# Altium PCB BTF16_2.PcbDoc
Units mm, origin at the board's own origin, x right, y up, seen from the top; angles counter-clockwise.
Board outline 52.07 x 57.15 mm, 2 copper layers (Top Layer, Bottom Layer); 31 components, 143 nets, 1127 pads, 0 vias.
Unrouted connection lines stored in the file: 977.
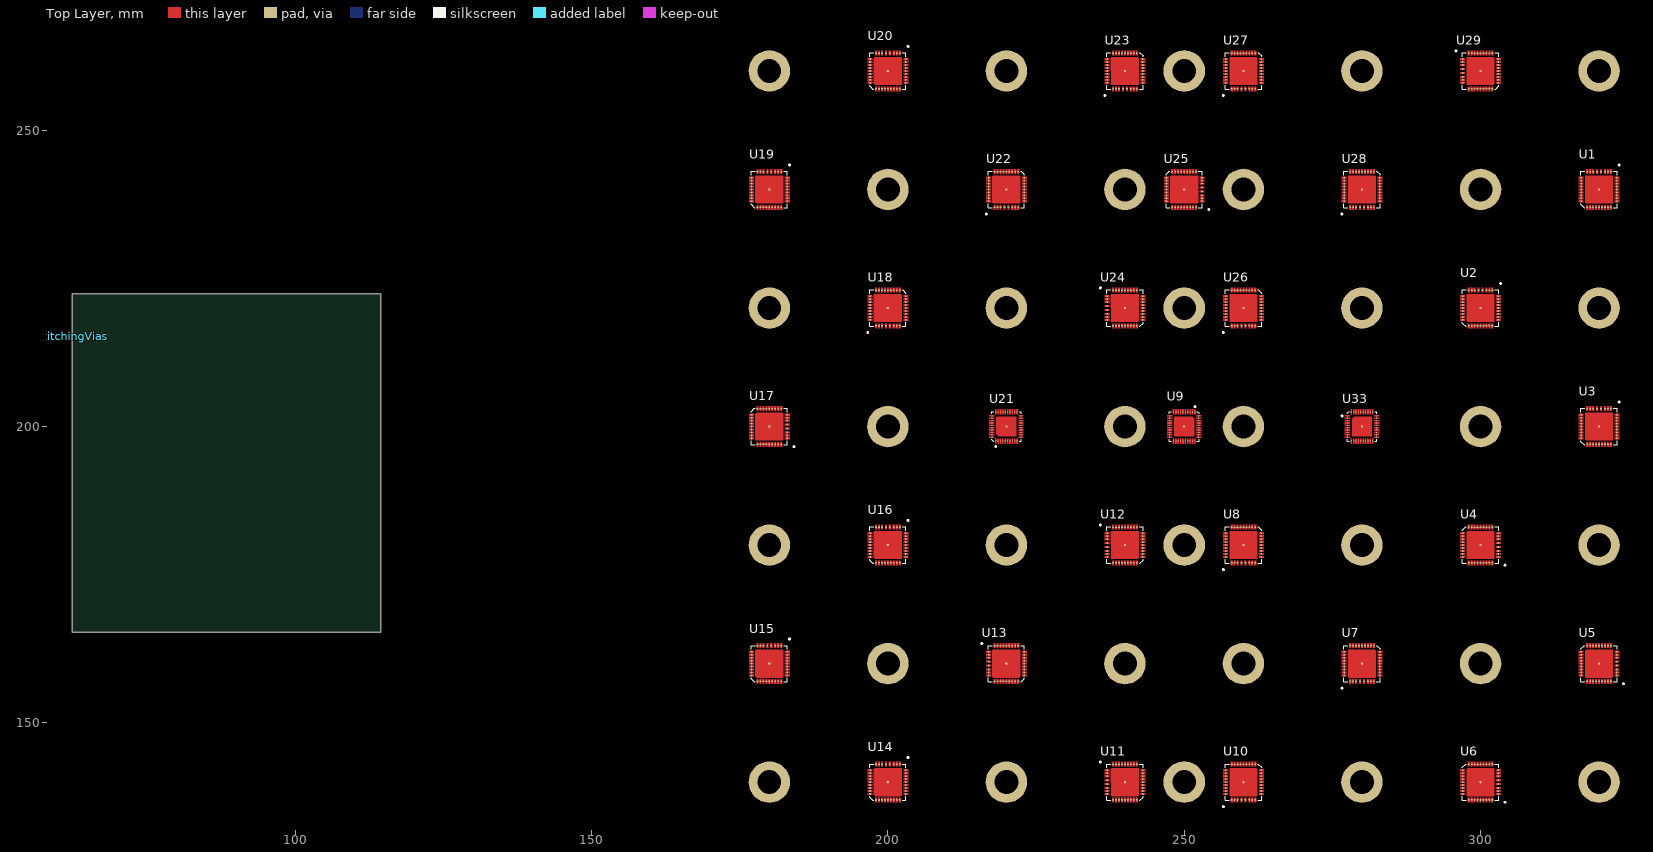
[diagram p0: Top Layer view]
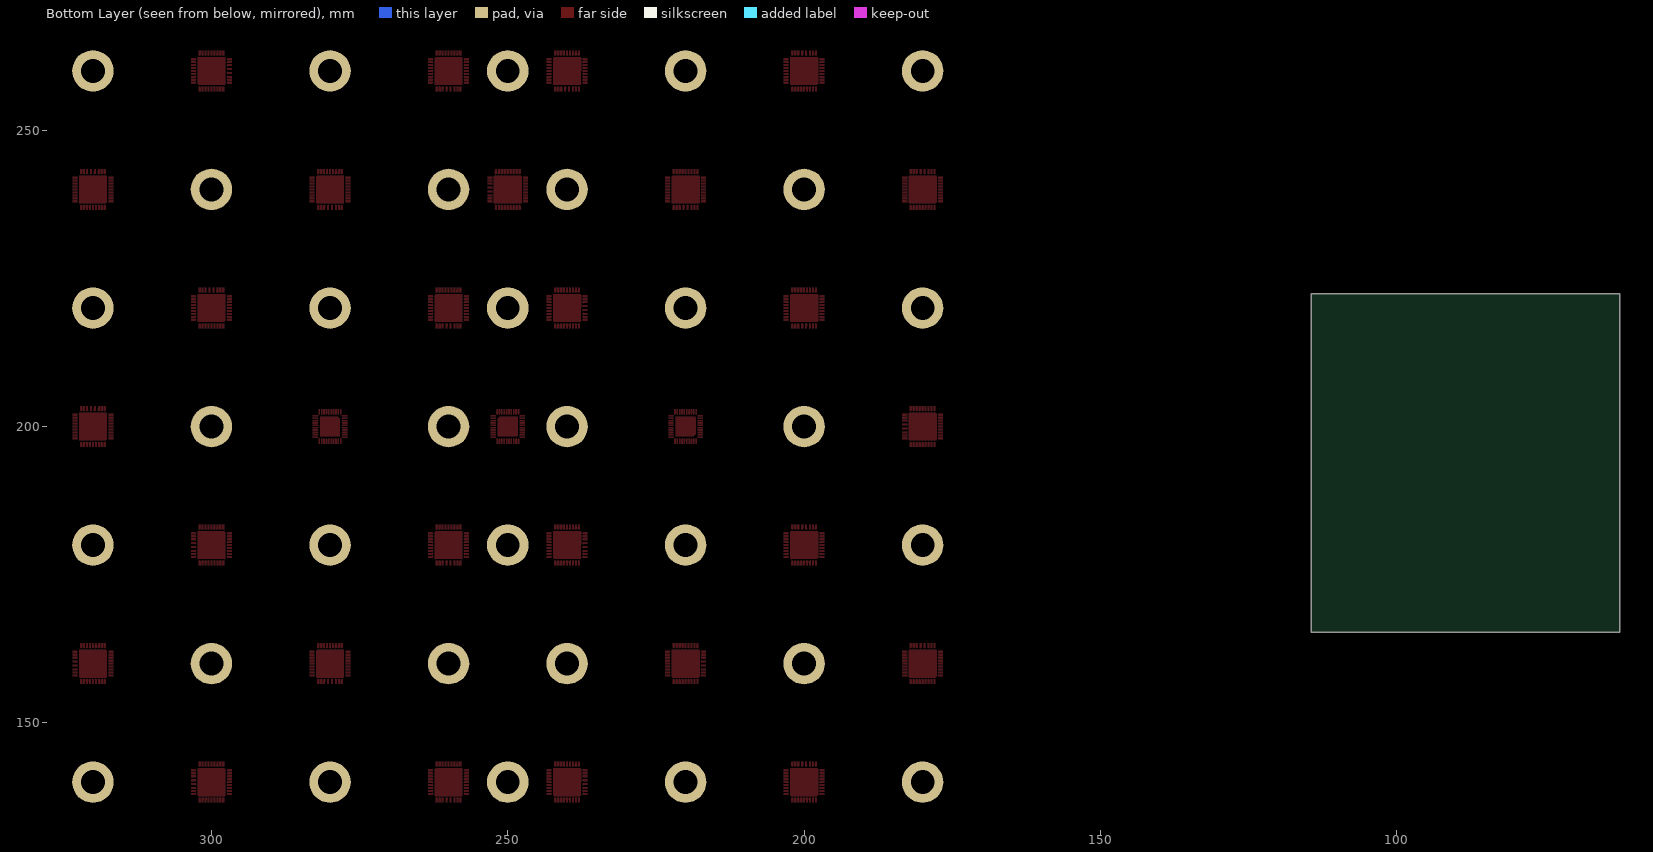
[diagram p1: Bottom Layer view, seen from below]

## Layer stack, top to bottom
Top Solder: solder mask 0.0102, Solder Resist, Dk 3.5
Top Layer: signal copper 0.0356
Dielectric1: core 0.32, FR-4, Dk 4.8
Bottom Layer: signal copper 0.0356
Bottom Solder: solder mask 0.0102, Solder Resist, Dk 3.5

## Board outline
62.359,165.269 62.359,222.419 114.429,222.419 114.429,165.269

## Design rules (kind name [scope] priority, off if disabled: settings)
Clearance [All] p1: gap=0.2
ComponentClearance [All] p1: gap=0.5 collisioncheckmode=3 verticalgap=1 showdistances=FALSE
HoleSize [All] p1: absolutevalues=TRUE maxlimit=5 minlimit=0.1 maxpercent=80.000 minpercent=20.000
HoleToHoleClearance [All] p1: gap=0.4 allowstackedmicrovias=TRUE
MinimumAnnularRing [All] p1: minimumring=0.2
MinimumSolderMaskSliver [All] p1: minsoldermaskwidth=0.1
PlaneClearance [All] p1: clearance=0.5
PlaneConnect [All] p1: planeconnectstyle=Relief reliefexpansion=0.5 reliefentries=4 reliefconductorwidth=0.25 reliefairgap=0.25
PolygonConnect "Via Connect Style" [IsVia] p1: connectstyle=Direct reliefconductorwidth=0.254 reliefentries=4 polygonreliefangle="90 Angle" airgapwidth=0.254
PolygonConnect "Flooded Pads Top" [(InPadClass('Flooded Top')) vs OnLayer('L1')] p2: connectstyle=Direct reliefconductorwidth=0.254 reliefentries=4 polygonreliefangle="90 Angle" airgapwidth=0.254
PolygonConnect "Flooded Pads Bott" [(InPadClass('Flooded Bott')) vs OnLayer('L2')] p3: connectstyle=Direct reliefconductorwidth=0.254 reliefentries=4 polygonreliefangle="90 Angle" airgapwidth=0.254
PolygonConnect PolygonConnect_0.3 [All] p4: connectstyle=Relief reliefconductorwidth=0.3 reliefentries=4 polygonreliefangle="90 Angle" airgapwidth=0.3
RoutingCorners [All] p1: cornerstyle=45-Degree minsetback=1 maxsetback=2
RoutingVias [InNetClass('All Nets')] p1: holewidth=0.3 width=0.65 viastyle="Through Hole" minholewidth=0.25 minwidth=0.6 maxholewidth=0.5 maxwidth=0.95
SilkToSilkClearance [All] p1: silktosilkclearance=0
SilkToSolderMaskClearance SilkscreenOverComponentPads [IsPad] p1: minsilkscreentomaskgap=0.2 clearancetoexposedcopper=TRUE
SolderMaskExpansion [All] p1: expansion=0.1
UnpouredPolygon [All] p1: allowunpoured=FALSE
Width "Power Nets" [InNetClass('Power')] p1: maxlimit=10 minlimit=0.5 preferedwidth=0.6
Width [InNetClass('All Nets')] p2: maxlimit=0.5 minlimit=0.2 preferedwidth=0.4
20 further rules are at their usual default settings.

## Classes and differential pairs
component class U_POWER: L1 L2
component class U_ASIC_3: U1 U2 U3 U4 U5 U6 U7 U8 U9 U10 U11 U12
component class U_ASIC_2: U25 U26 U27 U28 U29 U33
component class U_ASIC_1: U13 U14 U15 U16 U17 U18 U19 U20 U21 U22 U23 U24

## Components (designator, comment, footprint, x,y, rotation, side; value= is the part's Value field where it differs from the comment)
StitchingVias "Component That Holds Stitching Vias" ? 62.359,215.269 r0 top locked
U1 "IC_BITFURY16" SMD_QFN50P600X600X175-36AN 320,240 r90 top
U2 "IC_BITFURY16" SMD_QFN50P600X600X175-36AN 300,220 r90 top
U3 "IC_BITFURY16" SMD_QFN50P600X600X175-36AN 320,200 r90 top
U4 "IC_BITFURY16" SMD_QFN50P600X600X175-36AN 300,180 r0 top
U5 "IC_BITFURY16" SMD_QFN50P600X600X175-36AN 320,160 r0 top
U6 "IC_BITFURY16" SMD_QFN50P600X600X175-36AN 300,140 r0 top
U7 "IC_BITFURY16" SMD_QFN50P600X600X175-36AN 280,160 r270 top
U8 "IC_BITFURY16" SMD_QFN50P600X600X175-36AN 260,180 r270 top
U9 "IC_BTC250" SMD_QFN40P500X500X80-41N 250,200 r270 top
U10 "IC_BITFURY16" SMD_QFN50P600X600X175-36AN 260,140 r270 top
U11 "IC_BITFURY16" SMD_QFN50P600X600X175-36AN 240,140 r180 top
U12 "IC_BITFURY16" SMD_QFN50P600X600X175-36AN 240,180 r180 top
U13 "IC_BITFURY16" SMD_QFN50P600X600X175-36AN 220,160 r180 top
U14 "IC_BITFURY16" SMD_QFN50P600X600X175-36AN 200,140 r90 top
U15 "IC_BITFURY16" SMD_QFN50P600X600X175-36AN 180,160 r90 top
U16 "IC_BITFURY16" SMD_QFN50P600X600X175-36AN 200,180 r90 top
U17 "IC_BITFURY16" SMD_QFN50P600X600X175-36AN 180,200 r0 top
U18 "IC_BITFURY16" SMD_QFN50P600X600X175-36AN 200,220 r270 top
U19 "IC_BITFURY16" SMD_QFN50P600X600X175-36AN 180,240 r90 top
U20 "IC_BITFURY16" SMD_QFN50P600X600X175-36AN 200,260 r90 top
U21 "IC_BTC250" SMD_QFN40P500X500X80-41N 220,200 r90 top
U22 "IC_BITFURY16" SMD_QFN50P600X600X175-36AN 220,240 r270 top
U23 "IC_BITFURY16" SMD_QFN50P600X600X175-36AN 240,260 r270 top
U24 "IC_BITFURY16" SMD_QFN50P600X600X175-36AN 240,220 r180 top
U25 "IC_BITFURY16" SMD_QFN50P600X600X175-36AN 250,240 r0 top
U26 "IC_BITFURY16" SMD_QFN50P600X600X175-36AN 260,220 r270 top
U27 "IC_BITFURY16" SMD_QFN50P600X600X175-36AN 260,260 r270 top
U28 "IC_BITFURY16" SMD_QFN50P600X600X175-36AN 280,240 r270 top
U29 "IC_BITFURY16" SMD_QFN50P600X600X175-36AN 300,260 r180 top
U33 "IC_BTC250" SMD_QFN40P500X500X80-41N 280,200 r0 top

## Footprints (in the part's own frame and the unit in brackets; to place one, negate y for a bottom-side part, rotate by r counter-clockwise, add the part's x,y. Pads: shape width x height; smd on the part's side, far side on the other; paste and mask are expansions set on the pad)
SMD_QFN40P500X500X80-41N [mm]
  round 0.2 smd: 1(-2.45,1.8) 2(-2.45,1.4) 3(-2.45,1) 4(-2.45,0.6) 5(-2.45,0.2) 6(-2.45,-0.2) 7(-2.45,-0.6) 8(-2.45,-1) 9(-2.45,-1.4) 10(-2.45,-1.8) 11(-1.8,-2.45) 12(-1.4,-2.45) 13(-1,-2.45) 14(-0.6,-2.45) 15(-0.2,-2.45) 16(0.2,-2.45) 17(0.6,-2.45) 18(1,-2.45) 19(1.4,-2.45) 20(1.8,-2.45) 21(2.45,-1.8) 22(2.45,-1.4) 23(2.45,-1) 24(2.45,-0.6) 25(2.45,-0.2) 26(2.45,0.2) 27(2.45,0.6) 28(2.45,1) 29(2.45,1.4) 30(2.45,1.8) 31(1.8,2.45) 32(1.4,2.45) 33(1,2.45) 34(0.6,2.45) 35(0.2,2.45) 36(-0.2,2.45) 37(-0.6,2.45) 38(-1,2.45) 39(-1.4,2.45) 40(-1.8,2.45)
  rect 0.35x0.35 smd: 41(0,0)
  Top Layer region: -2.875,1.9 -2.125,1.908 -2.048,1.877 -2.017,1.8 -2.048,1.723 -2.125,1.692 -2.125,1.7 -2.875,1.7
  Top Layer region: -2.875,1.5 -2.125,1.508 -2.048,1.477 -2.017,1.4 -2.048,1.323 -2.125,1.292 -2.125,1.3 -2.875,1.3
  Top Layer region: -2.875,1.1 -2.125,1.108 -2.048,1.077 -2.017,1 -2.048,0.923 -2.125,0.892 -2.125,0.9 -2.875,0.9
  Top Layer region: -2.875,0.7 -2.125,0.708 -2.048,0.677 -2.017,0.6 -2.048,0.523 -2.125,0.492 -2.125,0.5 -2.875,0.5
  Top Layer region: -2.875,0.3 -2.125,0.308 -2.048,0.277 -2.017,0.2 -2.048,0.123 -2.125,0.092 -2.125,0.1 -2.875,0.1
  Top Layer region: -2.875,-0.1 -2.125,-0.092 -2.048,-0.123 -2.017,-0.2 -2.048,-0.277 -2.125,-0.308 -2.125,-0.3 -2.875,-0.3
  Top Layer region: -2.875,-0.5 -2.125,-0.492 -2.048,-0.523 -2.017,-0.6 -2.048,-0.677 -2.125,-0.708 -2.125,-0.7 -2.875,-0.7
  Top Layer region: -2.875,-0.9 -2.125,-0.892 -2.048,-0.923 -2.017,-1 -2.048,-1.077 -2.125,-1.108 -2.125,-1.1 -2.875,-1.1
  Top Layer region: -2.875,-1.3 -2.125,-1.292 -2.048,-1.323 -2.017,-1.4 -2.048,-1.477 -2.125,-1.508 -2.125,-1.5 -2.875,-1.5
  Top Layer region: -2.875,-1.7 -2.125,-1.692 -2.048,-1.723 -2.017,-1.8 -2.048,-1.877 -2.125,-1.908 -2.125,-1.9 -2.875,-1.9
  Top Layer region: -1.9,-2.875 -1.908,-2.125 -1.877,-2.048 -1.8,-2.017 -1.723,-2.048 -1.692,-2.125 -1.7,-2.125 -1.7,-2.875
  Top Layer region: -1.5,-2.875 -1.508,-2.125 -1.477,-2.048 -1.4,-2.017 -1.323,-2.048 -1.292,-2.125 -1.3,-2.125 -1.3,-2.875
  Top Layer region: -1.1,-2.875 -1.108,-2.125 -1.077,-2.048 -1,-2.017 -0.923,-2.048 -0.892,-2.125 -0.9,-2.125 -0.9,-2.875
  Top Layer region: -0.7,-2.875 -0.708,-2.125 -0.677,-2.048 -0.6,-2.017 -0.523,-2.048 -0.492,-2.125 -0.5,-2.125 -0.5,-2.875
  Top Layer region: -0.3,-2.875 -0.308,-2.125 -0.277,-2.048 -0.2,-2.017 -0.123,-2.048 -0.092,-2.125 -0.1,-2.125 -0.1,-2.875
  Top Layer region: 0.1,-2.875 0.092,-2.125 0.123,-2.048 0.2,-2.017 0.277,-2.048 0.308,-2.125 0.3,-2.125 0.3,-2.875
  Top Layer region: 0.5,-2.875 0.492,-2.125 0.523,-2.048 0.6,-2.017 0.677,-2.048 0.708,-2.125 0.7,-2.125 0.7,-2.875
  Top Layer region: 0.9,-2.875 0.892,-2.125 0.923,-2.048 1,-2.017 1.077,-2.048 1.108,-2.125 1.1,-2.125 1.1,-2.875
  Top Layer region: 1.3,-2.875 1.292,-2.125 1.323,-2.048 1.4,-2.017 1.477,-2.048 1.508,-2.125 1.5,-2.125 1.5,-2.875
  Top Layer region: 1.7,-2.875 1.692,-2.125 1.723,-2.048 1.8,-2.017 1.877,-2.048 1.908,-2.125 1.9,-2.125 1.9,-2.875
  Top Layer region: 2.875,-1.9 2.125,-1.908 2.048,-1.877 2.017,-1.8 2.048,-1.723 2.125,-1.692 2.125,-1.7 2.875,-1.7
  Top Layer region: 2.875,-1.5 2.125,-1.508 2.048,-1.477 2.017,-1.4 2.048,-1.323 2.125,-1.292 2.125,-1.3 2.875,-1.3
  Top Layer region: 2.875,-1.1 2.125,-1.108 2.048,-1.077 2.017,-1 2.048,-0.923 2.125,-0.892 2.125,-0.9 2.875,-0.9
  Top Layer region: 2.875,-0.7 2.125,-0.708 2.048,-0.677 2.017,-0.6 2.048,-0.523 2.125,-0.492 2.125,-0.5 2.875,-0.5
  Top Layer region: 2.875,-0.3 2.125,-0.308 2.048,-0.277 2.017,-0.2 2.048,-0.123 2.125,-0.092 2.125,-0.1 2.875,-0.1
  Top Layer region: 2.875,0.1 2.125,0.092 2.048,0.123 2.017,0.2 2.048,0.277 2.125,0.308 2.125,0.3 2.875,0.3
  Top Layer region: 2.875,0.5 2.125,0.492 2.048,0.523 2.017,0.6 2.048,0.677 2.125,0.708 2.125,0.7 2.875,0.7
  Top Layer region: 2.875,0.9 2.125,0.892 2.048,0.923 2.017,1 2.048,1.077 2.125,1.108 2.125,1.1 2.875,1.1
  Top Layer region: 2.875,1.3 2.125,1.292 2.048,1.323 2.017,1.4 2.048,1.477 2.125,1.508 2.125,1.5 2.875,1.5
  Top Layer region: 2.875,1.7 2.125,1.692 2.048,1.723 2.017,1.8 2.048,1.877 2.125,1.908 2.125,1.9 2.875,1.9
  Top Layer region: 1.9,2.875 1.908,2.125 1.877,2.048 1.8,2.017 1.723,2.048 1.692,2.125 1.7,2.125 1.7,2.875
  Top Layer region: 1.5,2.875 1.508,2.125 1.477,2.048 1.4,2.017 1.323,2.048 1.292,2.125 1.3,2.125 1.3,2.875
  Top Layer region: 1.1,2.875 1.108,2.125 1.077,2.048 1,2.017 0.923,2.048 0.892,2.125 0.9,2.125 0.9,2.875
  Top Layer region: 0.7,2.875 0.708,2.125 0.677,2.048 0.6,2.017 0.523,2.048 0.492,2.125 0.5,2.125 0.5,2.875
  Top Layer region: 0.3,2.875 0.308,2.125 0.277,2.048 0.2,2.017 0.123,2.048 0.092,2.125 0.1,2.125 0.1,2.875
  Top Layer region: -0.1,2.875 -0.092,2.125 -0.123,2.048 -0.2,2.017 -0.277,2.048 -0.308,2.125 -0.3,2.125 -0.3,2.875
  Top Layer region: -0.5,2.875 -0.492,2.125 -0.523,2.048 -0.6,2.017 -0.677,2.048 -0.708,2.125 -0.7,2.125 -0.7,2.875
  Top Layer region: -0.9,2.875 -0.892,2.125 -0.923,2.048 -1,2.017 -1.077,2.048 -1.108,2.125 -1.1,2.125 -1.1,2.875
  Top Layer region: -1.3,2.875 -1.292,2.125 -1.323,2.048 -1.4,2.017 -1.477,2.048 -1.508,2.125 -1.5,2.125 -1.5,2.875
  Top Layer region: -1.7,2.875 -1.692,2.125 -1.723,2.048 -1.8,2.017 -1.877,2.048 -1.908,2.125 -1.9,2.125 -1.9,2.875
  Top Layer region: -1.675,1.325 -1.325,1.675 1.475,1.679 1.553,1.663 1.619,1.619 1.663,1.553 1.679,1.475 1.675,1.475 1.679,-1.475 1.663,-1.553 1.619,-1.619 1.553,-1.663 1.475,-1.679 1.475,-1.675 -1.475,-1.679 -1.553,-1.663 -1.619,-1.619 -1.663,-1.553 -1.679,-1.475 -1.675,-1.475
  silkscreen extent -3.47,-2.5 2.5,2.5
SMD_QFN50P600X600X175-36AN [mm]
  round 0.3 smd mask-0.15: 1(-3,2) 2(-3,1.5) 3(-3,1) 4(-3,0.5) 5(-3,0) 6(-3,-0.5) 7(-3,-1) 8(-3,-1.5) 9(-3,-2) 10(-2,-3) 11(-1.5,-3) 12(-1,-3) 13(-0.5,-3) 14(0,-3) 15(0.5,-3) 16(1,-3) 17(1.5,-3) 18(2,-3) 19(3,-2) 20(3,-1.5) 21(3,-1) 22(3,-0.333) 23(3,0.334) 24(3,1) 25(3,1.5) 26(3,2) 27(2,3) 28(1.5,3) 29(1,3) 30(0.5,3) 31(0,3) 32(-0.5,3) 33(-1,3) 34(-1.5,3) 35(-2,3)
  round 0.4 smd: 36(0,0)
  Top Layer region: -3.4,2.15 -2.75,2.162 -2.635,2.115 -2.588,2 -2.635,1.885 -2.75,1.838 -2.75,1.85 -3.4,1.85
  Top Layer region: -3.4,1.65 -2.75,1.662 -2.635,1.615 -2.588,1.5 -2.635,1.385 -2.75,1.338 -2.75,1.35 -3.4,1.35
  Top Layer region: -3.4,1.15 -2.75,1.162 -2.635,1.115 -2.588,1 -2.635,0.885 -2.75,0.838 -2.75,0.85 -3.4,0.85
  Top Layer region: -3.4,0.65 -2.75,0.662 -2.635,0.615 -2.588,0.5 -2.635,0.385 -2.75,0.338 -2.75,0.35 -3.4,0.35
  Top Layer region: -3.4,0.15 -2.75,0.162 -2.635,0.115 -2.588,0 -2.635,-0.115 -2.75,-0.162 -2.75,-0.15 -3.4,-0.15
  Top Layer region: -3.4,-0.35 -2.75,-0.338 -2.635,-0.385 -2.588,-0.5 -2.635,-0.615 -2.75,-0.662 -2.75,-0.65 -3.4,-0.65
  Top Layer region: -3.4,-0.85 -2.75,-0.838 -2.635,-0.885 -2.588,-1 -2.635,-1.115 -2.75,-1.162 -2.75,-1.15 -3.4,-1.15
  Top Layer region: -3.4,-1.35 -2.75,-1.338 -2.635,-1.385 -2.588,-1.5 -2.635,-1.615 -2.75,-1.662 -2.75,-1.65 -3.4,-1.65
  Top Layer region: -3.4,-1.85 -2.75,-1.838 -2.635,-1.885 -2.588,-2 -2.635,-2.115 -2.75,-2.162 -2.75,-2.15 -3.4,-2.15
  Top Layer region: -2.15,-3.4 -2.162,-2.75 -2.115,-2.635 -2,-2.588 -1.885,-2.635 -1.838,-2.75 -1.85,-2.75 -1.85,-3.4
  Top Layer region: -1.65,-3.4 -1.662,-2.75 -1.615,-2.635 -1.5,-2.588 -1.385,-2.635 -1.338,-2.75 -1.35,-2.75 -1.35,-3.4
  Top Layer region: -1.15,-3.4 -1.162,-2.75 -1.115,-2.635 -1,-2.588 -0.885,-2.635 -0.838,-2.75 -0.85,-2.75 -0.85,-3.4
  Top Layer region: -0.65,-3.4 -0.662,-2.75 -0.615,-2.635 -0.5,-2.588 -0.385,-2.635 -0.338,-2.75 -0.35,-2.75 -0.35,-3.4
  Top Layer region: -0.15,-3.4 -0.162,-2.75 -0.115,-2.635 0,-2.588 0.115,-2.635 0.162,-2.75 0.15,-2.75 0.15,-3.4
  Top Layer region: 0.35,-3.4 0.338,-2.75 0.385,-2.635 0.5,-2.588 0.615,-2.635 0.662,-2.75 0.65,-2.75 0.65,-3.4
  Top Layer region: 0.85,-3.4 0.838,-2.75 0.885,-2.635 1,-2.588 1.115,-2.635 1.162,-2.75 1.15,-2.75 1.15,-3.4
  Top Layer region: 1.35,-3.4 1.338,-2.75 1.385,-2.635 1.5,-2.588 1.615,-2.635 1.662,-2.75 1.65,-2.75 1.65,-3.4
  Top Layer region: 1.85,-3.4 1.838,-2.75 1.885,-2.635 2,-2.588 2.115,-2.635 2.162,-2.75 2.15,-2.75 2.15,-3.4
  Top Layer region: 3.4,-2.15 2.75,-2.162 2.635,-2.115 2.588,-2 2.635,-1.885 2.75,-1.838 2.75,-1.85 3.4,-1.85
  Top Layer region: 3.4,-1.65 2.75,-1.662 2.635,-1.615 2.588,-1.5 2.635,-1.385 2.75,-1.338 2.75,-1.35 3.4,-1.35
  Top Layer region: 3.4,-1.15 2.75,-1.162 2.635,-1.115 2.588,-1 2.635,-0.885 2.75,-0.838 2.75,-0.85 3.4,-0.85
  Top Layer region: 3.4,-0.483 2.75,-0.495 2.635,-0.448 2.588,-0.333 2.635,-0.218 2.75,-0.171 2.75,-0.183 3.4,-0.183
  Top Layer region: 3.4,0.184 2.75,0.172 2.635,0.219 2.588,0.334 2.635,0.449 2.75,0.496 2.75,0.484 3.4,0.484
  Top Layer region: 3.4,0.85 2.75,0.838 2.635,0.885 2.588,1 2.635,1.115 2.75,1.162 2.75,1.15 3.4,1.15
  Top Layer region: 3.4,1.35 2.75,1.338 2.635,1.385 2.588,1.5 2.635,1.615 2.75,1.662 2.75,1.65 3.4,1.65
  Top Layer region: 3.4,1.85 2.75,1.838 2.635,1.885 2.588,2 2.635,2.115 2.75,2.162 2.75,2.15 3.4,2.15
  Top Layer region: 2.15,3.4 2.162,2.75 2.115,2.635 2,2.588 1.885,2.635 1.838,2.75 1.85,2.75 1.85,3.4
  Top Layer region: 1.65,3.4 1.662,2.75 1.615,2.635 1.5,2.588 1.385,2.635 1.338,2.75 1.35,2.75 1.35,3.4
  Top Layer region: 1.15,3.4 1.162,2.75 1.115,2.635 1,2.588 0.885,2.635 0.838,2.75 0.85,2.75 0.85,3.4
  Top Layer region: 0.65,3.4 0.662,2.75 0.615,2.635 0.5,2.588 0.385,2.635 0.338,2.75 0.35,2.75 0.35,3.4
  Top Layer region: 0.15,3.4 0.162,2.75 0.115,2.635 0,2.588 -0.115,2.635 -0.162,2.75 -0.15,2.75 -0.15,3.4
  Top Layer region: -0.35,3.4 -0.338,2.75 -0.385,2.635 -0.5,2.588 -0.615,2.635 -0.662,2.75 -0.65,2.75 -0.65,3.4
  Top Layer region: -0.85,3.4 -0.838,2.75 -0.885,2.635 -1,2.588 -1.115,2.635 -1.162,2.75 -1.15,2.75 -1.15,3.4
  Top Layer region: -1.35,3.4 -1.338,2.75 -1.385,2.635 -1.5,2.588 -1.615,2.635 -1.662,2.75 -1.65,2.75 -1.65,3.4
  Top Layer region: -1.85,3.4 -1.838,2.75 -1.885,2.635 -2,2.588 -2.115,2.635 -2.162,2.75 -2.15,2.75 -2.15,3.4
  Top Layer region: -2.35,2.15 -2.15,2.35 2.15,2.354 2.228,2.338 2.294,2.294 2.338,2.228 2.354,2.15 2.35,2.15 2.354,-2.15 2.338,-2.228 2.294,-2.294 2.228,-2.338 2.15,-2.354 2.15,-2.35 -2.15,-2.354 -2.228,-2.338 -2.294,-2.294 -2.338,-2.228 -2.354,-2.15 -2.35,-2.15
  silkscreen extent -3.05,-3.53 4.27,3.05
? [mm]

## Part data
U1 U2 U3 U4 U5 U6 U7 U8 U10 U11 U12 U13 U14 U15 U16 U17 U18 U19 U20 U22 U23 U24 U25 U26 U27 U28 U29: "BitFury 2016 16 nm"

## Free pads (board coordinates)
  round 7 hole 4: 0(180,140) 0(180,180) 0(180,220) 0(180,260) 0(200,160) 0(200,200) 0(200,240) 0(220,140) 0(220,180) 0(220,220) 0(220,260) 0(240,160) 0(240,200) 0(240,240) 0(250,140) 0(250,180) 0(250,220) 0(250,260) 0(260,160) 0(260,200) 0(260,240) 0(280,140) 0(280,180) 0(280,220) 0(280,260) 0(300,160) 0(300,200) 0(300,240) 0(320,140) 0(320,180) 0(320,220) 0(320,260)

## Nets (pads, with @x,y where several pads share a name; then routed paths per layer and width w, separated by ;. In a path a pad name is that pad's centre, name@x,y a point inside that pad or via, vN(x,y) a via of type N, cw(c..) or ccw(c..) an arc to the next point about the centre after c; other vN are vias at no path point)
5.0V: 
12V: 
BF_CLK0: U13.22 U21.10
BF_CLK1: U14.22 U21.7
BF_CLK2: U15.22 U21.4
BF_CLK3: U16.22 U21.1
BF_CLK4: U17.22 U21.38
BF_CLK5: U18.22 U21.35
BF_CLK6: U19.22 U21.32
BF_CLK7: U20.22 U21.29
BF_CLK8: U21.26 U22.22
BF_CLK9: U21.23 U23.22
BF_CLK10: U21.20 U24.22
BF_CLK11: U25.22 U33.10
BF_CLK12: U26.22 U33.7
BF_CLK13: U27.22 U33.4
BF_CLK14: U28.22 U33.1
BF_CLK15: U29.22 U33.38
BF_DAT0: U13.23 U21.9
BF_DAT1: U14.23 U21.6
BF_DAT2: U15.23 U21.3
BF_DAT3: U16.23 U21.40
BF_DAT4: U17.23 U21.37
BF_DAT5: U18.23 U21.34
BF_DAT6: U19.23 U21.31
BF_DAT7: U20.23 U21.28
BF_DAT8: U21.25 U22.23
BF_DAT9: U21.22 U23.23
BF_DAT10: U21.19 U24.23
BF_DAT11: U25.23 U33.9
BF_DAT12: U26.23 U33.6
BF_DAT13: U27.23 U33.3
BF_DAT14: U28.23 U33.40
BF_DAT15: U29.23 U33.37
C_0: U1.22 U9.10
C_1: U2.22 U9.7
C_2: U3.22 U9.4
C_3: U4.22 U9.1
C_4: U5.22 U9.38
C_5: U6.22 U9.35
C_6: U7.22 U9.32
C_7: U8.22 U9.29
C_8: U9.26 U10.22
C_9: U9.23 U11.22
C_10: U9.20 U12.22
CLK: 
CLK_PAR: U21.18
D+: 
D-: 
D_0: U1.23 U9.9
D_1: U2.23 U9.6
D_2: U3.23 U9.3
D_3: U4.23 U9.40
D_4: U5.23 U9.37
D_5: U6.23 U9.34
D_6: U7.23 U9.31
D_7: U8.23 U9.28
D_8: U9.25 U10.23
D_9: U9.22 U11.23
D_10: U9.19 U12.23
GND: 
MCLR: 
MISO_MCU: 
MISO_TX0: U21.11
MOSI_MCU: 
MOSI_RX0: U21.12
NetC210_1: 
NetC210_2: 
NetC220_1: 
NetC220_2: 
NetD1_2: 
NetD3_2: 
NetL1_2: 
NetL2_2: 
NetR13_2: 
NetR19_2: 
NetR20_2: 
NetR21_2: 
NetR22_2: 
NetTP5_1: 
PAR_2: U33.18
PAR_3: U9.18
POWER_ON_OFF: 
PWM1: 
PWM2: 
PWR: 
PWR1: U13.1 U13.2 U13.3 U13.4 U13.5 U13.6 U13.7 U13.8 U13.9 U13.10 U13.11 U13.12 U13.13 U13.14 U13.15 U13.16 U13.17 U13.18 U13.19 U13.20 U13.21 U13.24 U13.25 U13.26 U13.27 U13.28 U13.29 U13.30 U13.31 U13.32 U13.33 U13.34 U13.35 U14.36 U21.8
PWR2: U14.1 U14.2 U14.3 U14.4 U14.5 U14.6 U14.7 U14.8 U14.9 U14.10 U14.11 U14.12 U14.13 U14.14 U14.15 U14.16 U14.17 U14.18 U14.19 U14.20 U14.21 U14.24 U14.25 U14.26 U14.27 U14.28 U14.29 U14.30 U14.31 U14.32 U14.33 U14.34 U14.35 U15.36 U21.5
PWR3: U15.1 U15.2 U15.3 U15.4 U15.5 U15.6 U15.7 U15.8 U15.9 U15.10 U15.11 U15.12 U15.13 U15.14 U15.15 U15.16 U15.17 U15.18 U15.19 U15.20 U15.21 U15.24 U15.25 U15.26 U15.27 U15.28 U15.29 U15.30 U15.31 U15.32 U15.33 U15.34 U15.35 U16.36 U21.2
PWR4: U16.1 U16.2 U16.3 U16.4 U16.5 U16.6 U16.7 U16.8 U16.9 U16.10 U16.11 U16.12 U16.13 U16.14 U16.15 U16.16 U16.17 U16.18 U16.19 U16.20 U16.21 U16.24 U16.25 U16.26 U16.27 U16.28 U16.29 U16.30 U16.31 U16.32 U16.33 U16.34 U16.35 U17.36 U21.39
PWR5: U17.1 U17.2 U17.3 U17.4 U17.5 U17.6 U17.7 U17.8 U17.9 U17.10 U17.11 U17.12 U17.13 U17.14 U17.15 U17.16 U17.17 U17.18 U17.19 U17.20 U17.21 U17.24 U17.25 U17.26 U17.27 U17.28 U17.29 U17.30 U17.31 U17.32 U17.33 U17.34 U17.35 U18.36 U21.36
PWR6: U18.1 U18.2 U18.3 U18.4 U18.5 U18.6 U18.7 U18.8 U18.9 U18.10 U18.11 U18.12 U18.13 U18.14 U18.15 U18.16 U18.17 U18.18 U18.19 U18.20 U18.21 U18.24 U18.25 U18.26 U18.27 U18.28 U18.29 U18.30 U18.31 U18.32 U18.33 U18.34 U18.35 U19.36 U21.33
PWR7: U19.1 U19.2 U19.3 U19.4 U19.5 U19.6 U19.7 U19.8 U19.9 U19.10 U19.11 U19.12 U19.13 U19.14 U19.15 U19.16 U19.17 U19.18 U19.19 U19.20 U19.21 U19.24 U19.25 U19.26 U19.27 U19.28 U19.29 U19.30 U19.31 U19.32 U19.33 U19.34 U19.35 U20.36 U21.30
PWR8: U20.1 U20.2 U20.3 U20.4 U20.5 U20.6 U20.7 U20.8 U20.9 U20.10 U20.11 U20.12 U20.13 U20.14 U20.15 U20.16 U20.17 U20.18 U20.19 U20.20 U20.21 U20.24 U20.25 U20.26 U20.27 U20.28 U20.29 U20.30 U20.31 U20.32 U20.33 U20.34 U20.35 U21.27 U22.36
PWR9: U21.24 U22.1 U22.2 U22.3 U22.4 U22.5 U22.6 U22.7 U22.8 U22.9 U22.10 U22.11 U22.12 U22.13 U22.14 U22.15 U22.16 U22.17 U22.18 U22.19 U22.20 U22.21 U22.24 U22.25 U22.26 U22.27 U22.28 U22.29 U22.30 U22.31 U22.32 U22.33 U22.34 U22.35 U23.36
PWR10: U21.21 U23.1 U23.2 U23.3 U23.4 U23.5 U23.6 U23.7 U23.8 U23.9 U23.10 U23.11 U23.12 U23.13 U23.14 U23.15 U23.16 U23.17 U23.18 U23.19 U23.20 U23.21 U23.24 U23.25 U23.26 U23.27 U23.28 U23.29 U23.30 U23.31 U23.32 U23.33 U23.34 U23.35 U24.36
PWR11: U21.17 U24.1 U24.2 U24.3 U24.4 U24.5 U24.6 U24.7 U24.8 U24.9 U24.10 U24.11 U24.12 U24.13 U24.14 U24.15 U24.16 U24.17 U24.18 U24.19 U24.20 U24.21 U24.24 U24.25 U24.26 U24.27 U24.28 U24.29 U24.30 U24.31 U24.32 U24.33 U24.34 U24.35 U25.36 U33.41
PWR12: U25.1 U25.2 U25.3 U25.4 U25.5 U25.6 U25.7 U25.8 U25.9 U25.10 U25.11 U25.12 U25.13 U25.14 U25.15 U25.16 U25.17 U25.18 U25.19 U25.20 U25.21 U25.24 U25.25 U25.26 U25.27 U25.28 U25.29 U25.30 U25.31 U25.32 U25.33 U25.34 U25.35 U26.36 U33.8
PWR13: U26.1 U26.2 U26.3 U26.4 U26.5 U26.6 U26.7 U26.8 U26.9 U26.10 U26.11 U26.12 U26.13 U26.14 U26.15 U26.16 U26.17 U26.18 U26.19 U26.20 U26.21 U26.24 U26.25 U26.26 U26.27 U26.28 U26.29 U26.30 U26.31 U26.32 U26.33 U26.34 U26.35 U27.36 U33.5
PWR14: U27.1 U27.2 U27.3 U27.4 U27.5 U27.6 U27.7 U27.8 U27.9 U27.10 U27.11 U27.12 U27.13 U27.14 U27.15 U27.16 U27.17 U27.18 U27.19 U27.20 U27.21 U27.24 U27.25 U27.26 U27.27 U27.28 U27.29 U27.30 U27.31 U27.32 U27.33 U27.34 U27.35 U28.36 U33.2
PWR15: U28.1 U28.2 U28.3 U28.4 U28.5 U28.6 U28.7 U28.8 U28.9 U28.10 U28.11 U28.12 U28.13 U28.14 U28.15 U28.16 U28.17 U28.18 U28.19 U28.20 U28.21 U28.24 U28.25 U28.26 U28.27 U28.28 U28.29 U28.30 U28.31 U28.32 U28.33 U28.34 U28.35 U29.36 U33.39
PWR16: U1.36 U9.41 U29.1 U29.2 U29.3 U29.4 U29.5 U29.6 U29.7 U29.8 U29.9 U29.10 U29.11 U29.12 U29.13 U29.14 U29.15 U29.16 U29.17 U29.18 U29.19 U29.20 U29.21 U29.24 U29.25 U29.26 U29.27 U29.28 U29.29 U29.30 U29.31 U29.32 U29.33 U29.34 U29.35 U33.34 U33.36
PWR17: U9.8 U33.31 U33.33
PWR18: U9.5 U33.28 U33.30
PWR19: U9.2 U33.25 U33.27
PWR20: U9.39 U33.22 U33.24
PWR21: U9.36 U33.19 U33.21
PWR22: U9.33 U33.17
PWR23: U9.30
PWR24: U9.27
PWR25: U9.24
PWR26: U9.21
RA5: 
RC4: 
RX0_2: U33.12
RX0_3: U9.12
RX1_1: U21.14
RX1_2: U33.14
RX1_3: U9.14
RX2_1: U21.16
RX2_2: U33.16
RX2_3: U9.16
TX0_2: U33.11
TX0_3: U9.11
TX1_1: U21.13
TX1_2: U33.13
TX1_3: U9.13
TX2_1: U21.15
TX2_2: U33.15
TX2_3: U9.15
V_0: U1.1 U1.2 U1.3 U1.4 U1.5 U1.6 U1.7 U1.8 U1.9 U1.10 U1.11 U1.12 U1.13 U1.14 U1.15 U1.16 U1.17 U1.18 U1.19 U1.20 U1.21 U1.24 U1.25 U1.26 U1.27 U1.28 U1.29 U1.30 U1.31 U1.32 U1.33 U1.34 U1.35 U2.36
V_1: U2.1 U2.2 U2.3 U2.4 U2.5 U2.6 U2.7 U2.8 U2.9 U2.10 U2.11 U2.12 U2.13 U2.14 U2.15 U2.16 U2.17 U2.18 U2.19 U2.20 U2.21 U2.24 U2.25 U2.26 U2.27 U2.28 U2.29 U2.30 U2.31 U2.32 U2.33 U2.34 U2.35 U3.36
V_2: U3.1 U3.2 U3.3 U3.4 U3.5 U3.6 U3.7 U3.8 U3.9 U3.10 U3.11 U3.12 U3.13 U3.14 U3.15 U3.16 U3.17 U3.18 U3.19 U3.20 U3.21 U3.24 U3.25 U3.26 U3.27 U3.28 U3.29 U3.30 U3.31 U3.32 U3.33 U3.34 U3.35 U4.36
V_3: U4.1 U4.2 U4.3 U4.4 U4.5 U4.6 U4.7 U4.8 U4.9 U4.10 U4.11 U4.12 U4.13 U4.14 U4.15 U4.16 U4.17 U4.18 U4.19 U4.20 U4.21 U4.24 U4.25 U4.26 U4.27 U4.28 U4.29 U4.30 U4.31 U4.32 U4.33 U4.34 U4.35 U5.36
V_4: U5.1 U5.2 U5.3 U5.4 U5.5 U5.6 U5.7 U5.8 U5.9 U5.10 U5.11 U5.12 U5.13 U5.14 U5.15 U5.16 U5.17 U5.18 U5.19 U5.20 U5.21 U5.24 U5.25 U5.26 U5.27 U5.28 U5.29 U5.30 U5.31 U5.32 U5.33 U5.34 U5.35 U6.36
V_5: U6.1 U6.2 U6.3 U6.4 U6.5 U6.6 U6.7 U6.8 U6.9 U6.10 U6.11 U6.12 U6.13 U6.14 U6.15 U6.16 U6.17 U6.18 U6.19 U6.20 U6.21 U6.24 U6.25 U6.26 U6.27 U6.28 U6.29 U6.30 U6.31 U6.32 U6.33 U6.34 U6.35 U7.36
V_6: U7.1 U7.2 U7.3 U7.4 U7.5 U7.6 U7.7 U7.8 U7.9 U7.10 U7.11 U7.12 U7.13 U7.14 U7.15 U7.16 U7.17 U7.18 U7.19 U7.20 U7.21 U7.24 U7.25 U7.26 U7.27 U7.28 U7.29 U7.30 U7.31 U7.32 U7.33 U7.34 U7.35 U8.36
V_7: U8.1 U8.2 U8.3 U8.4 U8.5 U8.6 U8.7 U8.8 U8.9 U8.10 U8.11 U8.12 U8.13 U8.14 U8.15 U8.16 U8.17 U8.18 U8.19 U8.20 U8.21 U8.24 U8.25 U8.26 U8.27 U8.28 U8.29 U8.30 U8.31 U8.32 U8.33 U8.34 U8.35 U10.36
V_8: U10.1 U10.2 U10.3 U10.4 U10.5 U10.6 U10.7 U10.8 U10.9 U10.10 U10.11 U10.12 U10.13 U10.14 U10.15 U10.16 U10.17 U10.18 U10.19 U10.20 U10.21 U10.24 U10.25 U10.26 U10.27 U10.28 U10.29 U10.30 U10.31 U10.32 U10.33 U10.34 U10.35 U11.36
V_9: U11.1 U11.2 U11.3 U11.4 U11.5 U11.6 U11.7 U11.8 U11.9 U11.10 U11.11 U11.12 U11.13 U11.14 U11.15 U11.16 U11.17 U11.18 U11.19 U11.20 U11.21 U11.24 U11.25 U11.26 U11.27 U11.28 U11.29 U11.30 U11.31 U11.32 U11.33 U11.34 U11.35 U12.36
VCC: U9.17 U12.1 U12.2 U12.3 U12.4 U12.5 U12.6 U12.7 U12.8 U12.9 U12.10 U12.11 U12.12 U12.13 U12.14 U12.15 U12.16 U12.17 U12.18 U12.19 U12.20 U12.21 U12.24 U12.25 U12.26 U12.27 U12.28 U12.29 U12.30 U12.31 U12.32 U12.33 U12.34 U12.35
VMEAS: 
VUSB3V3: 
pads on no net: U13.36 U21.41 U33.20 U33.23 U33.26 U33.29 U33.32 U33.35

## Keep-outs
Keep-Out Layer:
  text "Board Outline" at 106.68,30.48 h1.52

## Other copper
Top Layer:
  text "Top" at 106.68,30.48 h1.52
Bottom Layer:
  text "Bottom" at 106.68,30.48 h1.52
Multi-Layer:
  lines w0.1 net 12V: 0,7.5 190,7.5 ; 0,52.5 190,52.5 ; 0,93.538 5,93.538 ; 0,143.538 5,143.538 ; 0,243.576 5,243.576 ; 5,0 5,287 ; 5,12.5 100,12.5 ; 5,17.5 190,17.5 ; 5,22.5 100,22.5 ; 5,27.5 190,27.5 ; 5,32.5 100,32.5 ; 5,37.5 190,37.5 ; 5,42.5 100,42.5 ; 5,47.5 100,47.5 ; 12.75,7.5 12.75,52.5 ; 65,7.5 65,52.5 ; 80,7.5 80,52.5 ; 90,7.5 90,52.5 ; 100,7.5 100,52.5 ; 132.5,27.5 132.5,37.5 ; 142.5,27.5 142.5,52.5 ; 177.5,7.5 177.5,37.5 ; 190,0 0,0 0,287 190,287 ; 195,52.5 200,52.5 ; 440,0 440,287
  text "D R A F T" at 53.34,241.3 h20.32
  text "D&D IMI Bulgaria" at 154.204,42.803 h2.19
  text "Layer" at 101.6,35.56 h1.25
  text "Scale" at 134.62,35.56 h1.25
  text "Document type" at 144.78,35.56 h1.25
  text "Size" at 181.016,34.31 h1.25
  text "1:1" at 135.89,29.21 h1.69
  text "Gerber" at 155.575,29.21 h1.69
  text "A4" at 181.61,29.21 h1.69
  text "Title/DrawingNr" at 101.6,25.4 h1.25
  text "REV" at 181.173,24.21 h1.25
  text "730XXX_PCB-xxx" at 118.745,20.955 h1.52
  text "01" at 181.219,19.887 h1.69
  text "Project" at 101.6,15.24 h1.25
  text "Sheet" at 180.266,14.76 h1.25
  text "01" at 7.62,13.97 h1.69
  text "Creation" at 31.75,13.97 h1.69
  text "2011.12.01" at 66.675,13.97 h1.63
  text "GTA" at 82.55,13.97 h1.63
  text "YYY" at 92.71,13.97 h1.63
  text "730XXX_XXX" at 122.555,11.43 h1.69
  text "1/1" at 180.975,8.89 h1.69
  text "Rev." at 6.514,8.487 h1.69
  text "Modification" at 28.944,8.487 h1.69
  text "Date" at 68.598,8.487 h1.69
  text "Author" at 80.758,8.487 h1.69
  text "Check" at 91.007,8.487 h1.69
  text "Printed copies of this document are uncontrolled and may NOT be current. All information is strictly CONFIDENTIAL. EPIQ Group reserves all" at 5.7,4.55 h1.31
  text "rights even in the event of industrial property rights." at 136.1,4.55 h1.31
  text "We reserve all rights of disposal such as copying and passing on to third parties." at 5.6,1.5 h1.31

## Silkscreen, mask and mechanical layers (free items; w line width, h text height)
Top Overlay:
  text "Top Silk" at 106.68,30.48 h1.52
Bottom Overlay:
  text "Bottom Silk" at 106.68,30.48 h1.52
Top Paste:
  text "Top Paste" at 106.68,30.48 h1.52
  text "Top Paste" at 106.68,30.48 h1.52
Bottom Paste:
  text "Bottom Paste" at 106.68,30.48 h1.52
Top Solder:
  text "Top Mask" at 106.68,30.48 h1.52
Bottom Solder:
  text "Bottom Mask" at 106.68,30.48 h1.52
Drill Guide:
  text "Drill Guide" at 106.68,30.48 h1.52
Top Assy:
  text "Top Assy" at 106.68,30.48 h1.52
Bott Assy:
  text "Bottom Assy" at 106.68,30.48 h1.52
Drill Drawing:
  text ".Legend" at 63.5,106.68 h1.52
  text "Drill Drawing" at 106.68,30.48 h1.52